# Altium PCB Van Battery Controller V1.PcbDoc (part 1 of 3) (continued)
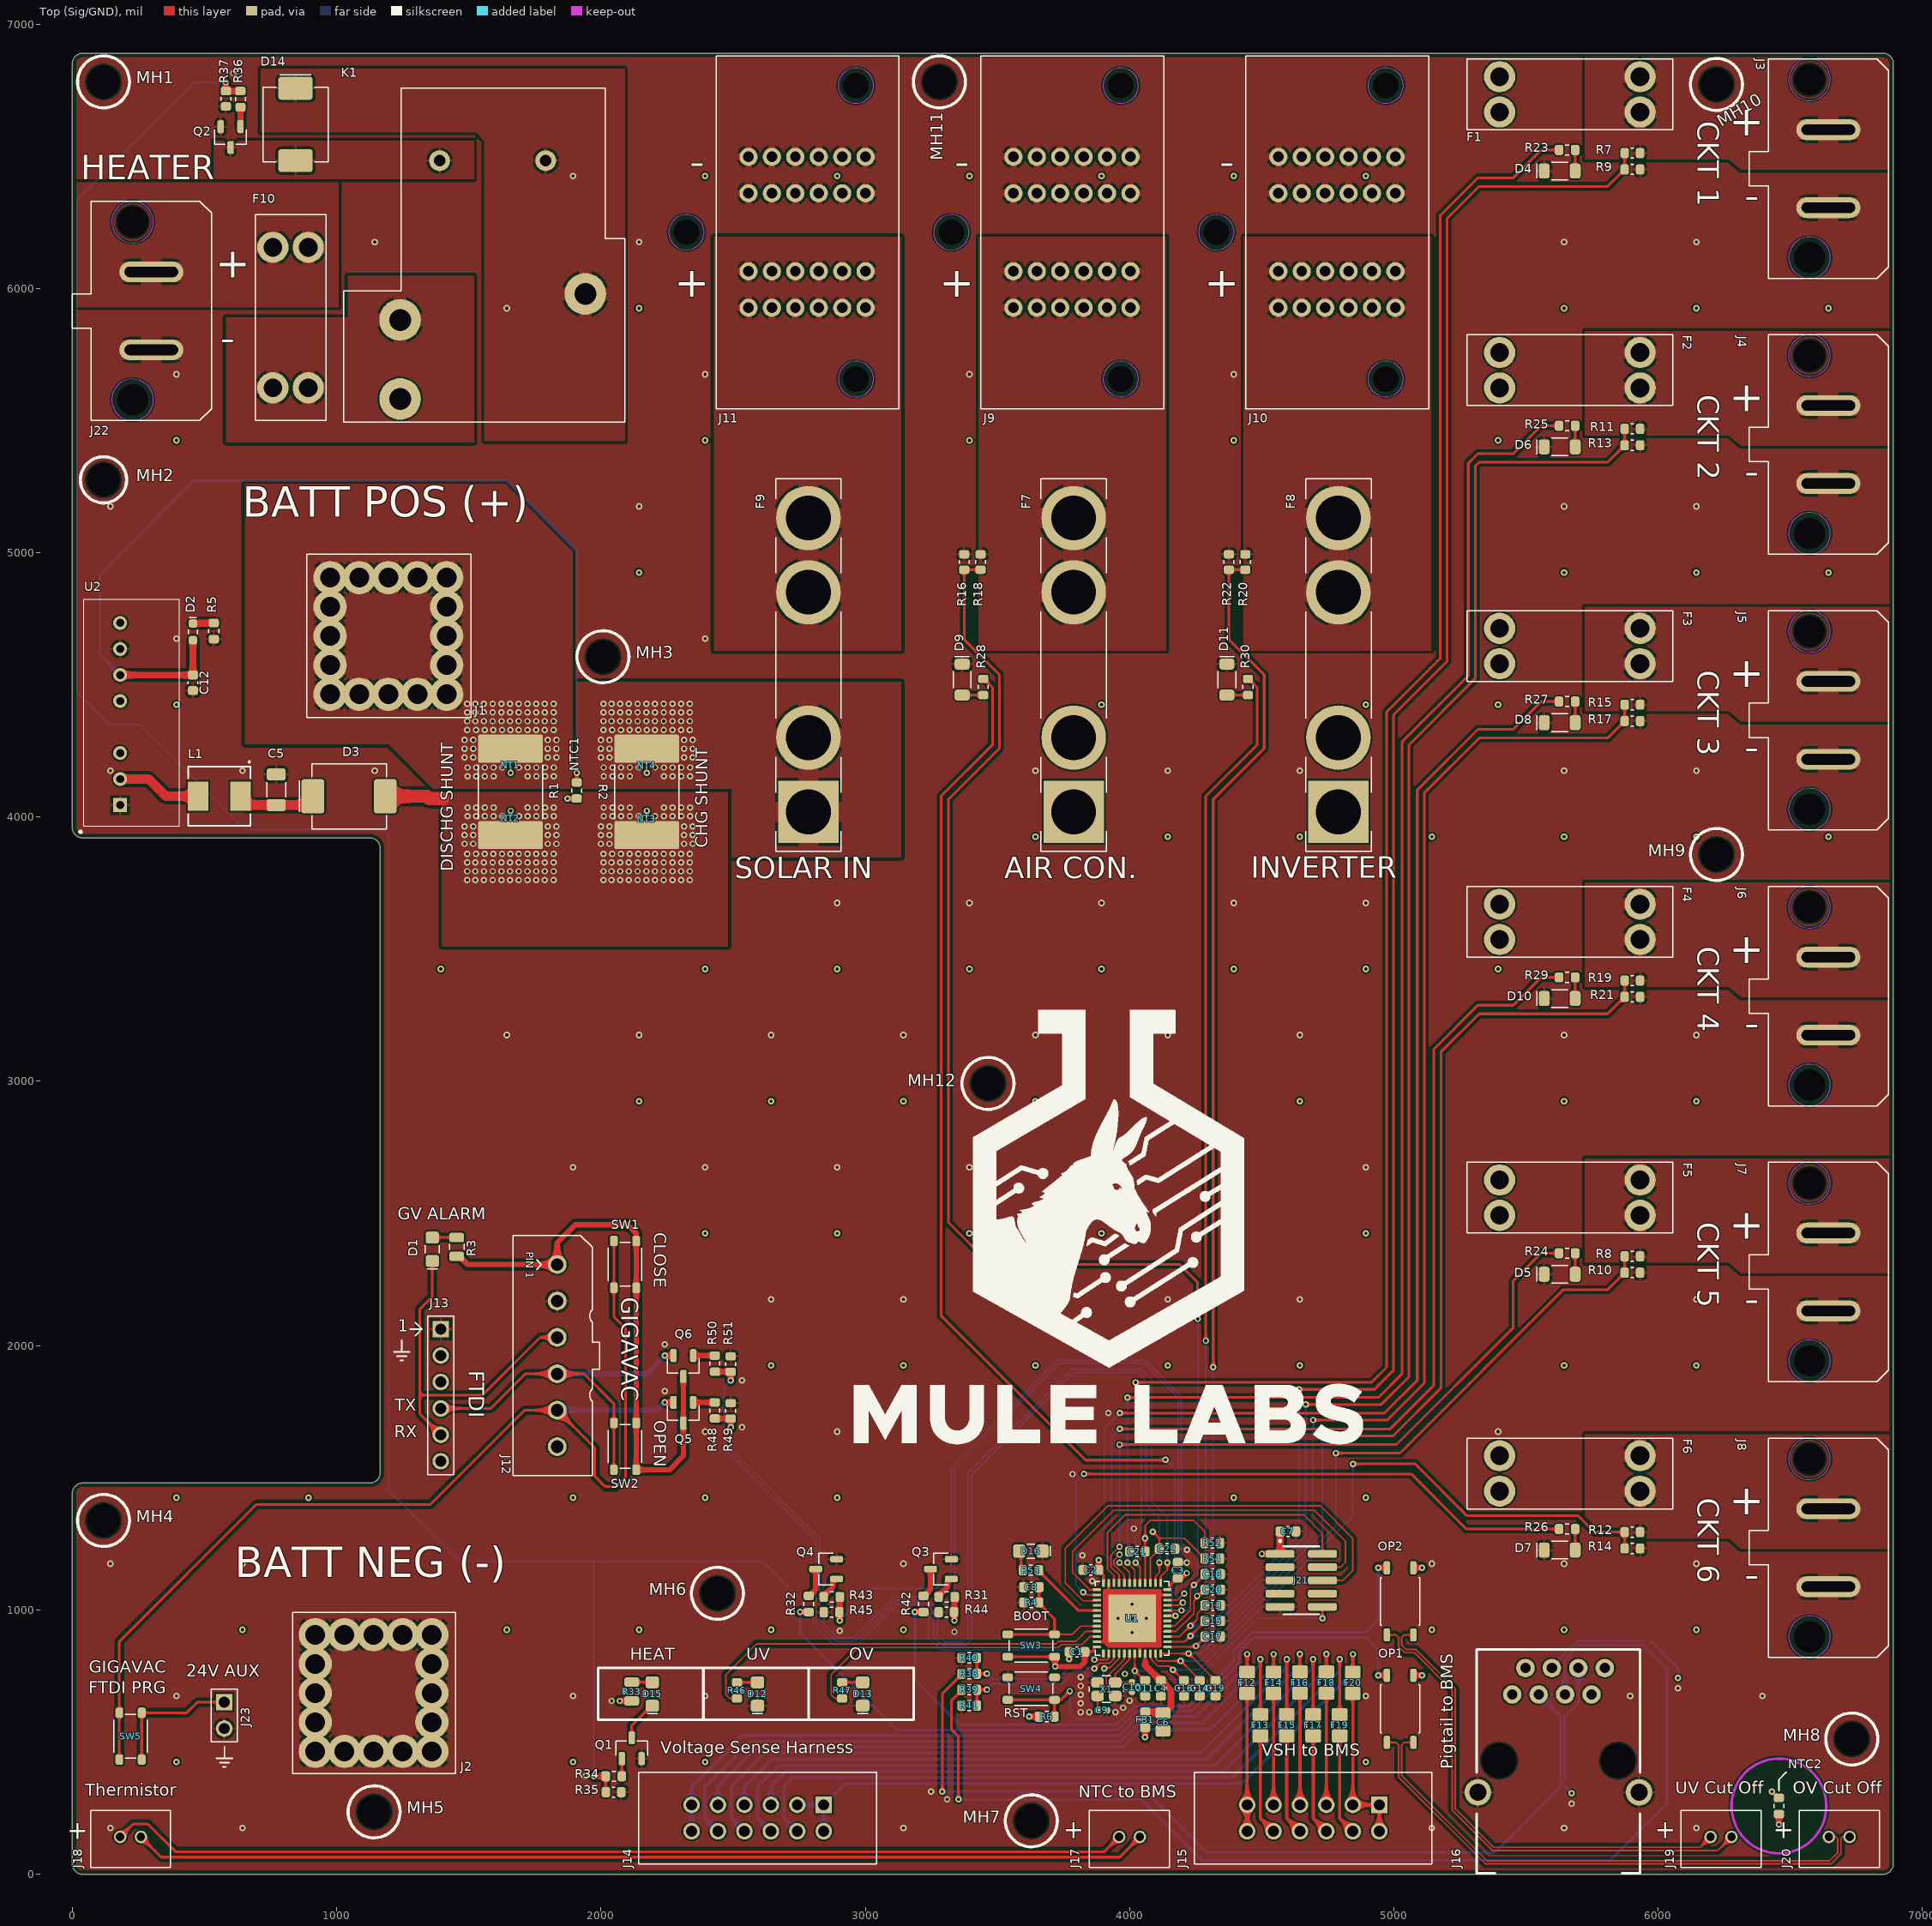
[diagram p0: Top (Sig/GND) view]
## Part data
C1 C2 C3 C4 C7 C8 C11 C12 C21 C22: library part CGA3E2X7R1E104K080AA, "CAP CER 0.1UF 25V X7R 0603", Case Code (Imperial)=0603, Case Code (Metric)=1608, Dielectric=X7R, Manufacturer=TDK, Max Operating Temperature=125°C, Min Operating Temperature=-55°C, Package Quantity=1, Supplier Part Number 1=445-5667-1-ND, Tolerance=10%, Voltage Rating=25V, Capacitance=100nF, Case/Package=0603, Category=Capacitor, ComponentLink1Description=https://datasheet.ciiva.com/22725/1735392-22725638.pdf, ComponentLink1URL=https://datasheet.ciiva.com/22725/1735392-22725638.pdf, ComponentLink2Description=https://datasheet.ciiva.com/24220/cga3e2x7r1e104k080aa-265934-24220022.pdf, ComponentLink2URL=https://datasheet.ciiva.com/24220/cga3e2x7r1e104k080aa-265934-24220022.pdf, ComponentLink3Description=https://datasheet.ciiva.com/22725/1735392-22725639.pdf, ComponentLink3URL=https://datasheet.ciiva.com/22725/1735392-22725639.pdf, ComponentLink4Description=https://datasheet.ciiva.com/16427/mlccspec-automotive-general-midvoltage-en-16427320.pdf, ComponentLink4URL=https://datasheet.ciiva.com/16427/mlccspec-automotive-general-midvoltage-en-16427320.pdf, ComponentLink5Description=https://datasheet.ciiva.com/23803/1735392-23803082.pdf, ComponentLink5URL=https://datasheet.ciiva.com/23803/1735392-23803082.pdf, Composition=Ceramic, Depth=0.8mm, Height=0.8mm, Lead Free="Lead Free", Length=1.6mm, Manufacturer Part Number=CGA3E2X7R1E104K080AA, Mount="Surface Mount", Packaging="Tape and Reel", Pricing 1="1=0.1, 10=0.068, 100=0.0304, 500=0.02172, 1000=0.01706 (USD)", REACH SVHC="No SVHC", Stock 1=40000, Supplier 1=Digi-Key, Termination=SMD/SMT, Thickness=0.035inch, Voltage Rating (DC)=25V, Weight=7.1E-05oz, Width=0.031inch
C5: library part C3216X5R1H106K160AB, "CAP CER 10UF 50V X5R 1206", Case Code (Imperial)=1206, Case Code (Metric)=3216, Dielectric=X5R, Dielectric Material=Ceramic, Manufacturer=TDK, Max Operating Temperature=85°C, Min Operating Temperature=-55°C, Package Quantity=1, Supplier Part Number 1=445-5998-6-ND, Tolerance=10%, Voltage=50V, Capacitance=10uF, Case/Package=1206, Composition=Ceramic, Depth=1.6mm, Height=1.6mm, Lead Free="Lead Free", Length=3.2mm, Manufacturer Part Number=C3216X5R1H106K160AB, Mount="Surface Mount", Packaging="Tape and Reel", Pricing 1="1=1.11, 10=0.841, 100=0.6016, 500=0.46576, 1000=0.40106 (USD)", Radiation Hardening=No, REACH SVHC="No SVHC", Stock 1=20000, Supplier 1=Digi-Key, Termination=SMD/SMT, Thickness=0.071inch, Voltage Rating=50V, Voltage Rating (DC)=50V, Weight=0.000571oz, Width=0.063inch
C6: library part GRM21BC71H475KE11L, "CAP CER 4.7UF 50V X7S 0805", Case Code (Imperial)=0805, Case Code (Metric)=2012, Dielectric=X7S, Manufacturer=Murata, Max Operating Temperature=125°C, Min Operating Temperature=-55°C, Package Quantity=3000, Supplier Part Number 1=490-12757-1-ND, Tolerance=10%, Voltage Rating=50V, Capacitance=4.7uF, Case/Package=0805, Category=Capacitor, ComponentLink1Description=http://www.mouser.com/ds/2/281/c02e-2905.pdf, ComponentLink1URL=http://www.mouser.com/ds/2/281/c02e-2905.pdf, ComponentLink2Description=http://search.murata.co.jp/Ceramy/image/img/A01X/partnumbering_e_01.pdf, ComponentLink2URL=http://search.murata.co.jp/Ceramy/image/img/A01X/partnumbering_e_01.pdf, ComponentLink3Description=http://search.murata.co.jp/Ceramy/image/img/A01X/G101/ENG/GRM21BC71H475KE11-01.pdf, ComponentLink3URL=http://search.murata.co.jp/Ceramy/image/img/A01X/G101/ENG/GRM21BC71H475KE11-01.pdf, Composition=Ceramic, Height=1.25mm, Length=0.079inch, Manufacturer Part Number=GRM21BC71H475KE11L, Mount="Surface Mount", Packaging="Tape and Reel", Pricing 1="1=0.61, 10=0.424, 100=0.2544, 500=0.19082, 1000=0.16114 (USD)", Stock 1=30000, Supplier 1=Digi-Key, Termination=SMD/SMT, Thickness=0.057inch, Voltage Rating (DC)=50V, Weight=0.000335oz, Width=1.25mm
C9 C10: library part GJM1555C1H6R8WB01D, "CAP CER 6.8PF 50V 0402", Dielectric=C0G, Manufacturer=Murata, Supplier Part Number 1=490-14447-1-ND, Voltage Rating (DC)=50V, Capacitance=6.8pF, Category="Ceramic Capacitors", ComponentLink1Description=https://search.murata.co.jp/Ceramy/image/img/A01X/G101/ENG/GJM1555C1H6R8WB01-01.pdf?src-supplier=Digi-Key, ComponentLink1URL=https://search.murata.co.jp/Ceramy/image/img/A01X/G101/ENG/GJM1555C1H6R8WB01-01.pdf?src-supplier=Digi-Key, ComponentLink2Description=http://search.murata.co.jp/Ceramy/image/img/A01X/G101/ENG/GJM1555C1H6R8WB01-01.pdf?src-supplier=Digi-Key, ComponentLink2URL=http://search.murata.co.jp/Ceramy/image/img/A01X/G101/ENG/GJM1555C1H6R8WB01-01.pdf?src-supplier=Digi-Key, Length=1mm, Manufacturer Part Number=GJM1555C1H6R8WB01D, Pricing 1="1=0.27000, 10=0.18500, 50=0.12360, 100=0.10510, 500=0.07418, 1000=0.06491, 2500=0.06182, 5000=0.05718 (USD)", RoHS=Yes, RoHS Compliant=Yes, Stock 1=3053, Supplier 1=Digi-Key, Thickness=500um, Width=500um
C13 C14 C15 C16 C17 C18 C19 C20: library part C0603C103K4RECAUTO, "CAP CER 0603 10NF 16V X7R 10%", Case Code (Imperial)=0603, Case Code (Metric)=1608, Manufacturer=KEMET, Max Operating Temperature=125°C, Min Operating Temperature=-55°C, Ratings=AEC-Q200, Supplier Part Number 1=399-17880-1-ND, Tolerance=10%, Voltage Rating=16V, Capacitance=10nF, Case/Package=0603, ComponentLink1Description=https://api.kemet.com/component-edge/download/datasheet/C0603C103K4RECAUTO.pdf?src-supplier=Digi-Key, ComponentLink1URL=https://api.kemet.com/component-edge/download/datasheet/C0603C103K4RECAUTO.pdf?src-supplier=Digi-Key, Manufacturer Part Number=C0603C103K4RECAUTO, Mount="Surface Mount", Packaging="Tape and Reel", Pricing 1="1=0.17000, 10=0.12100, 100=0.05670, 500=0.03978, 1000=0.03293 (USD)", RoHS=No, Stock 1=8030, Supplier 1=Digi-Key
D1 D12 D13 D15 D16: "Lite-On LTST-C171GKT, CHIPLED 0805 Series Green LED, 569 nm 2012 (0805), Rectangle Lens SMD package", Case Code (Imperial)=0805, Case Code (Metric)=2012, Color=Green, Forward Current=30mA, Forward Voltage=2.1V, Lens Colour=Clear,Colorless, Manufacturer="Vishay Lite-On", Max Operating Temperature=85°C, Min Operating Temperature=-55°C, Package Quantity=1, Power Dissipation=100mW, Reverse Voltage=5V, Supplier Part Number 1=160-1423-1-ND, Test Current=10mA, Case/Package=0805, Category=LED, ComponentLink1Description=https://datasheet.ciiva.com/2110/ltst-c171gkt-2110000.pdf, ComponentLink1URL=https://datasheet.ciiva.com/2110/ltst-c171gkt-2110000.pdf, ComponentLink2Description=https://datasheet.ciiva.com/2110/ltst-c171gkt-2110001.pdf, ComponentLink2URL=https://datasheet.ciiva.com/2110/ltst-c171gkt-2110001.pdf, ComponentLink3Description=https://datasheet.ciiva.com/2110/ltst-c171gkt-2110002.pdf, ComponentLink3URL=https://datasheet.ciiva.com/2110/ltst-c171gkt-2110002.pdf, ComponentLink4Description=https://datasheet.ciiva.com/16396/ltst-c171gkt-16396549.pdf, ComponentLink4URL=https://datasheet.ciiva.com/16396/ltst-c171gkt-16396549.pdf, ComponentLink5Description=https://datasheet.ciiva.com/11773/0900766b80dc0296-11773991.pdf, ComponentLink5URL=https://datasheet.ciiva.com/11773/0900766b80dc0296-11773991.pdf, ComponentLink6Description=https://datasheet.ciiva.com/12400/lite-on-ltst-c171gkt-190133-12400647.pdf, ComponentLink6URL=https://datasheet.ciiva.com/12400/lite-on-ltst-c171gkt-190133-12400647.pdf, Depth=1.25mm, Dominant Wavelength=569nm, Height=0.8mm, Illumination Colour=Green, Lead Free="Lead Free", Length=2mm, Lens Style=Clear,Diffused,Colorless,Rectangular, Lens Transparency=Clear, Luminous Intensity=12mcd, Manufacturer Part Number=LTST-C171GKT, Mount="Surface Mount", Number of Elements=1, Number of LEDs=1, Number of Pins=2, Packaging="Tape and Reel", Power Rating=100mW, Pricing 1="1=0.29, 10=0.211, 25=0.1556, 100=0.1111, 250=0.07556, 500=0.06666, 1000=0.05222 (USD)", Radiation Hardening=No, Stock 1=271428, Supplier 1=Digi-Key, Viewing Angle=130°, Wavelength=585nm, Width=1.25mm
D2: "LED GREEN DIFFUSED 0603 SMD", Case Code (Imperial)=0603, Case Code (Metric)=1608, Color=Green, Forward Current=20mA, Forward Voltage=1.7V, Lens Color=White, Manufacturer="Osram Opto", Max Operating Temperature=100°C, Min Operating Temperature=-40°C, Package Quantity=5000, Supplier Part Number 1=475-3118-1-ND, Test Current=2mA, Case/Package=0603, Category=Uncategorized, ComponentLink1Description=http://components.arrow.com/part/dataview/41971649S9781339N2128?src-supplier=Arrow, ComponentLink1URL=http://components.arrow.com/part/dataview/41971649S9781339N2128?src-supplier=Arrow, ComponentLink2Description=http://components.arrow.com/part/dataview/0323_02006818?src-supplier=Arrow+Europe, ComponentLink2URL=http://components.arrow.com/part/dataview/0323_02006818?src-supplier=Arrow+Europe, ComponentLink3Description=http://catalog.osram-os.com/catalogue/catalogue.do;jsessionid=3DE84243E85F820603DAFD5199D8DDA3?act=downloadFile&favOid=020000020000138e000100b6&src-supplier=Avnet, ComponentLink3URL=http://catalog.osram-os.com/catalogue/catalogue.do;jsessionid=3DE84243E85F820603DAFD5199D8DDA3?act=downloadFile&favOid=020000020000138e000100b6&src-supplier=Avnet, ComponentLink4Description=https://dammedia.osram.info/media/resource/hires/osram-dam-2493945/LG%20L29K.pdf?src-supplier=Digi-Key, ComponentLink4URL=https://dammedia.osram.info/media/resource/hires/osram-dam-2493945/LG%20L29K.pdf?src-supplier=Digi-Key, ComponentLink5Description=http://catalog.osram-os.com/catalogue/catalogue.do;jsessionid=3DE84243E85F820603DAFD5199D8DDA3?act=downloadFile&favOid=020000020000138e000100b6&src-supplier=Avnet+Europe, ComponentLink5URL=http://catalog.osram-os.com/catalogue/catalogue.do;jsessionid=3DE84243E85F820603DAFD5199D8DDA3?act=downloadFile&favOid=020000020000138e000100b6&src-supplier=Avnet+Europe, Dominant Wavelength=570nm, Height=0.65mm, Illumination Color=Green, Length=1.7mm, Lens Size=0.8mm, Lens Style=Flat,Diffused,Colorless,Rectangular, Lens Transparency=Diffused, Luminous Flux=0.015lm, Luminous Intensity=3.5mcd, Manufacturer Part Number=LGL29K-F2J1-24-Z, Mount="Surface Mount", Number of LEDs=1, Number of Pins=2, Packaging="Tape and Reel", Pricing="1=0.410000, 10=0.287000, 100=0.167400, 500=0.114760, 1000=0.095640, 2500=0.086080 (USD)", Radiation Hardening=No, RoHS=Yes, Stock=28779, Supplier 1=Digi-Key, Viewing Angle=160°, Width=0.8mm
D3 D14: "DIODE SCHOTTKY 40V 4A SMC", Average Rectified Current=4A, Current Rating=3A, Forward Voltage=525mV, Manufacturer="ON Semiconductor / Fairchild", Max Forward Surge Current (Ifsm)=80A, Max Operating Temperature=125°C, Max Repetitive Reverse Voltage (Vrrm)=40V, Max Reverse Leakage Current=2mA, Min Operating Temperature=-65°C, Package Quantity=1, Supplier Part Number 1=MBRS340FSCT-ND, Category=Diode, ComponentLink1Description=https://datasheet.ciiva.com/22651/48013-22651968.pdf, ComponentLink1URL=https://datasheet.ciiva.com/22651/48013-22651968.pdf, ComponentLink2Description=https://datasheet.ciiva.com/4714/mbrs340-63506-4714275.pdf, ComponentLink2URL=https://datasheet.ciiva.com/4714/mbrs340-63506-4714275.pdf, ComponentLink3Description=https://datasheet.ciiva.com/8303/mbrs340-8303605.pdf, ComponentLink3URL=https://datasheet.ciiva.com/8303/mbrs340-8303605.pdf, ComponentLink4Description=https://datasheet.ciiva.com/8303/mbrs340-8303610.pdf, ComponentLink4URL=https://datasheet.ciiva.com/8303/mbrs340-8303610.pdf, ComponentLink5Description=https://datasheet.ciiva.com/30479/0900766b810e2514-30479354.pdf, ComponentLink5URL=https://datasheet.ciiva.com/30479/0900766b810e2514-30479354.pdf, ComponentLink6Description=https://datasheet.ciiva.com/911/mbrs340-911131.pdf, ComponentLink6URL=https://datasheet.ciiva.com/911/mbrs340-911131.pdf, ComponentLink7Description=https://datasheet.ciiva.com/911/mbrs340-911132.pdf, ComponentLink7URL=https://datasheet.ciiva.com/911/mbrs340-911132.pdf, ComponentLink8Description=https://datasheet.ciiva.com/911/mbrs340-911133.pdf, ComponentLink8URL=https://datasheet.ciiva.com/911/mbrs340-911133.pdf, ComponentLink9Description=https://datasheet.ciiva.com/15144/getdatasheetpartid-102412-15144829.pdf, ComponentLink9URL=https://datasheet.ciiva.com/15144/getdatasheetpartid-102412-15144829.pdf, ComponentLink10Description=https://datasheet.ciiva.com/25951/mbrs340-25951711.pdf, ComponentLink10URL=https://datasheet.ciiva.com/25951/mbrs340-25951711.pdf, ComponentLink11Description=https://datasheet.ciiva.com/26788/mbrs340-26788710.pdf, ComponentLink11URL=https://datasheet.ciiva.com/26788/mbrs340-26788710.pdf, Contact Plating=Tin,Matte, Element Configuration=Single, Forward Current=4A, Height=2.75mm, Lead Free="Lead Free", Length=7.15mm, Manufacturer Part Number=MBRS340, Max Reverse Voltage (DC)=40V, Max Surge Current=80A, Mount="Surface Mount", Number of Pins=2, Output Current=3A, Packaging="Tape and Reel", Peak Non-Repetitive Surge Current=80A, Peak Reverse Current=2mA, Polarity=Standard, Pricing 1="1=0.65, 10=0.554, 100=0.4137, 500=0.32502, 1000=0.25115 (USD)", Radiation Hardening=No, REACH SVHC="No SVHC", Stock 1=32395, Supplier 1=Digi-Key, Voltage Rating (DC)=40V, Weight=0.3g, Width=6.25mm
D4 D5 D6 D7 D8 D9 D10 D11: library part APT3216LSECK/J3-PRV, "LED RED CLEAR 2SMD", Case Code (Imperial)=1206, Case Code (Metric)=3216, Forward Voltage=1.8V, Lens Color=Colorless, Manufacturer 1=Kingbright, Supplier Part Number 1=754-1940-1-ND, Test Current=2mA, Case/Package=1206, Category=LEDs, Color=Red, ComponentLink1Description=http://www.mouser.com/ds/2/216/APT3216LSECK-J3-PRV-535779.pdf?src-supplier=Mouser, ComponentLink1URL=http://www.mouser.com/ds/2/216/APT3216LSECK-J3-PRV-535779.pdf?src-supplier=Mouser, ComponentLink2Description=http://www.kingbrightusa.com/images/catalog/SPEC/APT3216LSECK-J3-PRV.pdf?src-supplier=Digi-Key, ComponentLink2URL=http://www.kingbrightusa.com/images/catalog/SPEC/APT3216LSECK-J3-PRV.pdf?src-supplier=Digi-Key, Dominant Wavelength=625nm, Height=0.75mm, Length=3.2mm, Lens Transparency=Clear, Luminous Intensity=40mcd, Manufacturer Part Number=APT3216LSECK/J3-PRV, Manufacturer Part Number 1=APT3216LSECK/J3-PRV, Mount="Surface Mount", Packaging="Tape and Reel", Pricing 1="1=0.51000, 10=0.40100, 100=0.25730, 500=0.22124, 1000=0.17081 (USD)", RoHS=Yes, Stock 1=1142, Supplier 1=Digi-Key, Viewing Angle=120°, Width=1.6mm
F1 F2 F3 F4 F5 F6 F10: "Fuse Holder; Auto; 2 in1 Blade; THM; 1 Fuse; Vertical; 30 Amps", Color=Black, Current Rating=20A, Flammability Rating="UL94 V-0", Manufacturer="Keystone Electronics", Max Operating Temperature=145°C, Min Operating Temperature=-50°C, Package Quantity=1, Supplier Part Number 1=36-3557-2-ND, Voltage=500V, Category=Fuses, ComponentLink1Description=https://datasheet.ciiva.com/22650/1686040-22650698.pdf?src-supplier=Element14, ComponentLink1URL=https://datasheet.ciiva.com/22650/1686040-22650698.pdf?src-supplier=Element14, ComponentLink2Description=https://datasheet.ciiva.com/16369/m60-2p39-16369546.pdf?src-supplier=Future+Electronics, ComponentLink2URL=https://datasheet.ciiva.com/16369/m60-2p39-16369546.pdf?src-supplier=Future+Electronics, Contact Material=Brass, Contact Plating=Tin, Depth=6.8mm, Fuse Current=20A, Fuse Size="ATO, ATC, or Mini ATO, ATC", Fuse Type=Automotive, Illumination Type=Illuminated, Lead Free="Lead Free", Length=19.8mm, Manufacturer Part Number=3557-2, Material=Brass,Tin,Nylon, Mount=Vertical,PCB, Number of Circuits=1, Number of Poles=1, Orientation=Vertical, Pricing 1="1=1.22000, 25=1.01080, 100=0.92640, 250=0.84220, 500=0.75798, 1000=0.67376, 2500=0.61060, 5000=0.58954 (USD)", REACH SVHC="No SVHC", RoHS=Yes, Series=-, Size=0.265inch, Supplier 1=Digi-Key, Termination="PC Pin", Voltage Rating (AC)=500V
F7 F8 F9: "Fuse Block Cartridge Holder", Color=Black, Current Rating=40A, Manufacturer="Keystone Electronics", Max Operating Temperature=145°C, Min Operating Temperature=-50°C, Package Quantity=100, Supplier Part Number 1=36-3555-2-ND, Voltage=500V, Approvals=UL, Body Material=Nylon,Glass, Category="Fuse Holders", ComponentLink1Description=https://datasheet.ciiva.com/16365/m60-2p38-16365263.pdf?src-supplier=Future+Electronics, ComponentLink1URL=https://datasheet.ciiva.com/16365/m60-2p38-16365263.pdf?src-supplier=Future+Electronics, Contact Material=Copper,Tin, Contact Plating=Nickel, Depth=5.9mm, Fuse Current=40A, Fuse Size=MAXI™, Fuse Type=Automotive, Illumination Type=Illuminated, Lead Free="Lead Free", Length=35.8mm, Manufacturer Part Number=3555-2, Material=Copper,Brass,Tin,Nylon, Mount=Vertical,PCB, Number of Circuits=1, Number of Poles=1, Orientation=Vertical, Pricing 1="1=1.94000, 25=1.64920, 100=1.50590, 250=1.36248, 500=1.25492, 1000=1.07565, 2500=1.00394, 5000=0.95374 (USD)", REACH SVHC="No SVHC", RoHS=Yes, Series=-, Stock 1=46563, Supplier 1=Digi-Key, Termination="PC Pin", Voltage Rating (AC)=500V
F12 F13 F14 F15 F16 F17 F18 F19 F20: "FUSE 2A 32V SMT 0805 THIN", Case Code (Imperial)=0805, Current Rating=2A, DC Cold Resistance=67mR, Manufacturer 1="Vishay Beyschlag", Max Operating Temperature=125°C, Min Operating Temperature=-55°C, Package Quantity=5000, Supplier Part Number 1=749-1743-1-ND, Voltage Rating (DC)=32V, Approvals=UL, Body Material=Ceramic, Case/Package=0805, Category=Fuse, Category 1=Fuses, ComponentLink4Description=https://datasheet.ciiva.com/18427/70121790-18427623.pdf?src-supplier=Allied+Electronics, ComponentLink4URL=https://datasheet.ciiva.com/18427/70121790-18427623.pdf?src-supplier=Allied+Electronics, ComponentLink5Description=https://datasheet.ciiva.com/11337/mfuserie-11337802.pdf?src-supplier=Avnet, ComponentLink5URL=https://datasheet.ciiva.com/11337/mfuserie-11337802.pdf?src-supplier=Avnet, ComponentLink6Description=https://datasheet.ciiva.com/4485/mfuserie-239895-4485662.pdf?src-supplier=Mouser, ComponentLink6URL=https://datasheet.ciiva.com/4485/mfuserie-239895-4485662.pdf?src-supplier=Mouser, Description 1="Fuse; 24 Milliohms to 660 Milliohms (Cold) @ 0.1; 32 V; 0805; 15 ° C; 35", Fuse Type="Board Mount (Cartridge Style Excluded)", Height=0.018inch, Lead Free="Lead Free", Length=0.079inch, Manufacturer Part Number=MFU0805FF02000P500, Manufacturer Part Number 1=MFU0805FF02000P500, Mount="Surface Mount,PCB", Number of Pins=2, Packaging="Tape and Reel", Pricing 1="1=0.48000, 5=0.46800, 10=0.45300, 50=0.38100, 100=0.31630, 250=0.28756, 500=0.24440, 1000=0.21566 (USD)", Resistance=67mR, RoHS=Yes, RoHS 1=Yes, Stock 1=5535, Supplier 1=Digi-Key, Termination=SMD/SMT, Width=0.049inch
FB1: library part BLM18EG221SN1D, "FERRITE BEAD 220 OHM 0603 1LN", Case Code (Imperial)=0603, Case Code (Metric)=1608, Current Rating=2A, DC Resistance (DCR)=50mR, Frequency=100MHz, Manufacturer=Murata, Max Operating Temperature=125°C, Min Operating Temperature=-55°C, Package Quantity=1, Supplier Part Number 1=490-3992-1-ND, Tolerance=25%, Case/Package=0603, Category="Ferrite Bead", ComponentLink1Description=https://datasheet.ciiva.com/11799/0900766b811b5866-11799010.pdf, ComponentLink1URL=https://datasheet.ciiva.com/11799/0900766b811b5866-11799010.pdf, ComponentLink2Description=https://datasheet.ciiva.com/1467/5169-1467157.pdf, ComponentLink2URL=https://datasheet.ciiva.com/1467/5169-1467157.pdf, ComponentLink3Description=https://datasheet.ciiva.com/1467/5169-1467158.pdf, ComponentLink3URL=https://datasheet.ciiva.com/1467/5169-1467158.pdf, ComponentLink4Description=https://datasheet.ciiva.com/1012/l0110s0101blm18e-1012872.pdf, ComponentLink4URL=https://datasheet.ciiva.com/1012/l0110s0101blm18e-1012872.pdf, ComponentLink5Description=https://datasheet.ciiva.com/1012/l0110s0101blm18e-1012873.pdf, ComponentLink5URL=https://datasheet.ciiva.com/1012/l0110s0101blm18e-1012873.pdf, ComponentLink6Description=https://datasheet.ciiva.com/1012/l0110s0101blm18e-1012874.pdf, ComponentLink6URL=https://datasheet.ciiva.com/1012/l0110s0101blm18e-1012874.pdf, ComponentLink7Description=https://datasheet.ciiva.com/8510/l0110s0101blm18e-8510140.pdf, ComponentLink7URL=https://datasheet.ciiva.com/8510/l0110s0101blm18e-8510140.pdf, ComponentLink8Description=https://datasheet.ciiva.com/14122/blm-series-eng-tds-14122908.pdf, ComponentLink8URL=https://datasheet.ciiva.com/14122/blm-series-eng-tds-14122908.pdf, ComponentLink9Description=https://datasheet.ciiva.com/16419/l0110s0101blm18e-16419148.pdf, ComponentLink9URL=https://datasheet.ciiva.com/16419/l0110s0101blm18e-16419148.pdf, ComponentLink10Description=https://datasheet.ciiva.com/17246/l0110s0101blm18e-17246927.pdf, ComponentLink10URL=https://datasheet.ciiva.com/17246/l0110s0101blm18e-17246927.pdf, ComponentLink11Description=https://datasheet.ciiva.com/41449/001171699-da-01-en-chip-drossel0603-220r-2000ma-1-6x0-8mm-41449376.pdf, ComponentLink11URL=https://datasheet.ciiva.com/41449/001171699-da-01-en-chip-drossel0603-220r-2000ma-1-6x0-8mm-41449376.pdf, ComponentLink12Description=https://datasheet.ciiva.com/41449/001172265-da-01-en-drossel-0603-220r-1-6x0-8mm-4000st-41449579.pdf, ComponentLink12URL=https://datasheet.ciiva.com/41449/001172265-da-01-en-drossel-0603-220r-1-6x0-8mm-4000st-41449579.pdf, Contact Plating=Tin,Matte, Core Material=Ferrite, DC Current=2A, Depth=0.8mm, Height=0.8mm, Impedance=220R, Lead Free="Lead Free", Length=1.6mm, Manufacturer Part Number=BLM18EG221SN1D, Material=Steel,Ferrite, Max Current Rating=2A, Max DC Current=2A, Military Standard=Not, Number of Circuits=1, Number of Lines=1, Number of Pins=2, Packaging="Tape and Reel", Pricing 1="1=0.23, 10=0.175, 25=0.1452, 50=0.1252, 100=0.1126, 250=0.09508, 500=0.08508, 1000=0.07257 (USD)", Radiation Hardening=No, REACH SVHC="No SVHC", Resistance=50mR, Stock 1=66132, Supplier 1=Digi-Key, Termination=SMD/SMT, Test Frequency=100MHz, Width=0.8mm